# Altium PCB 搅拌机主控.PcbDoc
Units mil, origin at the board's own origin, x right, y up, seen from the top; angles counter-clockwise.
Board outline 3937.01 x 3385.83 mil, 2 copper layers (Top Layer, Bottom Layer); 126 components, 152 nets, 497 pads, 111 vias.
Unrouted connection lines stored in the file: 145.
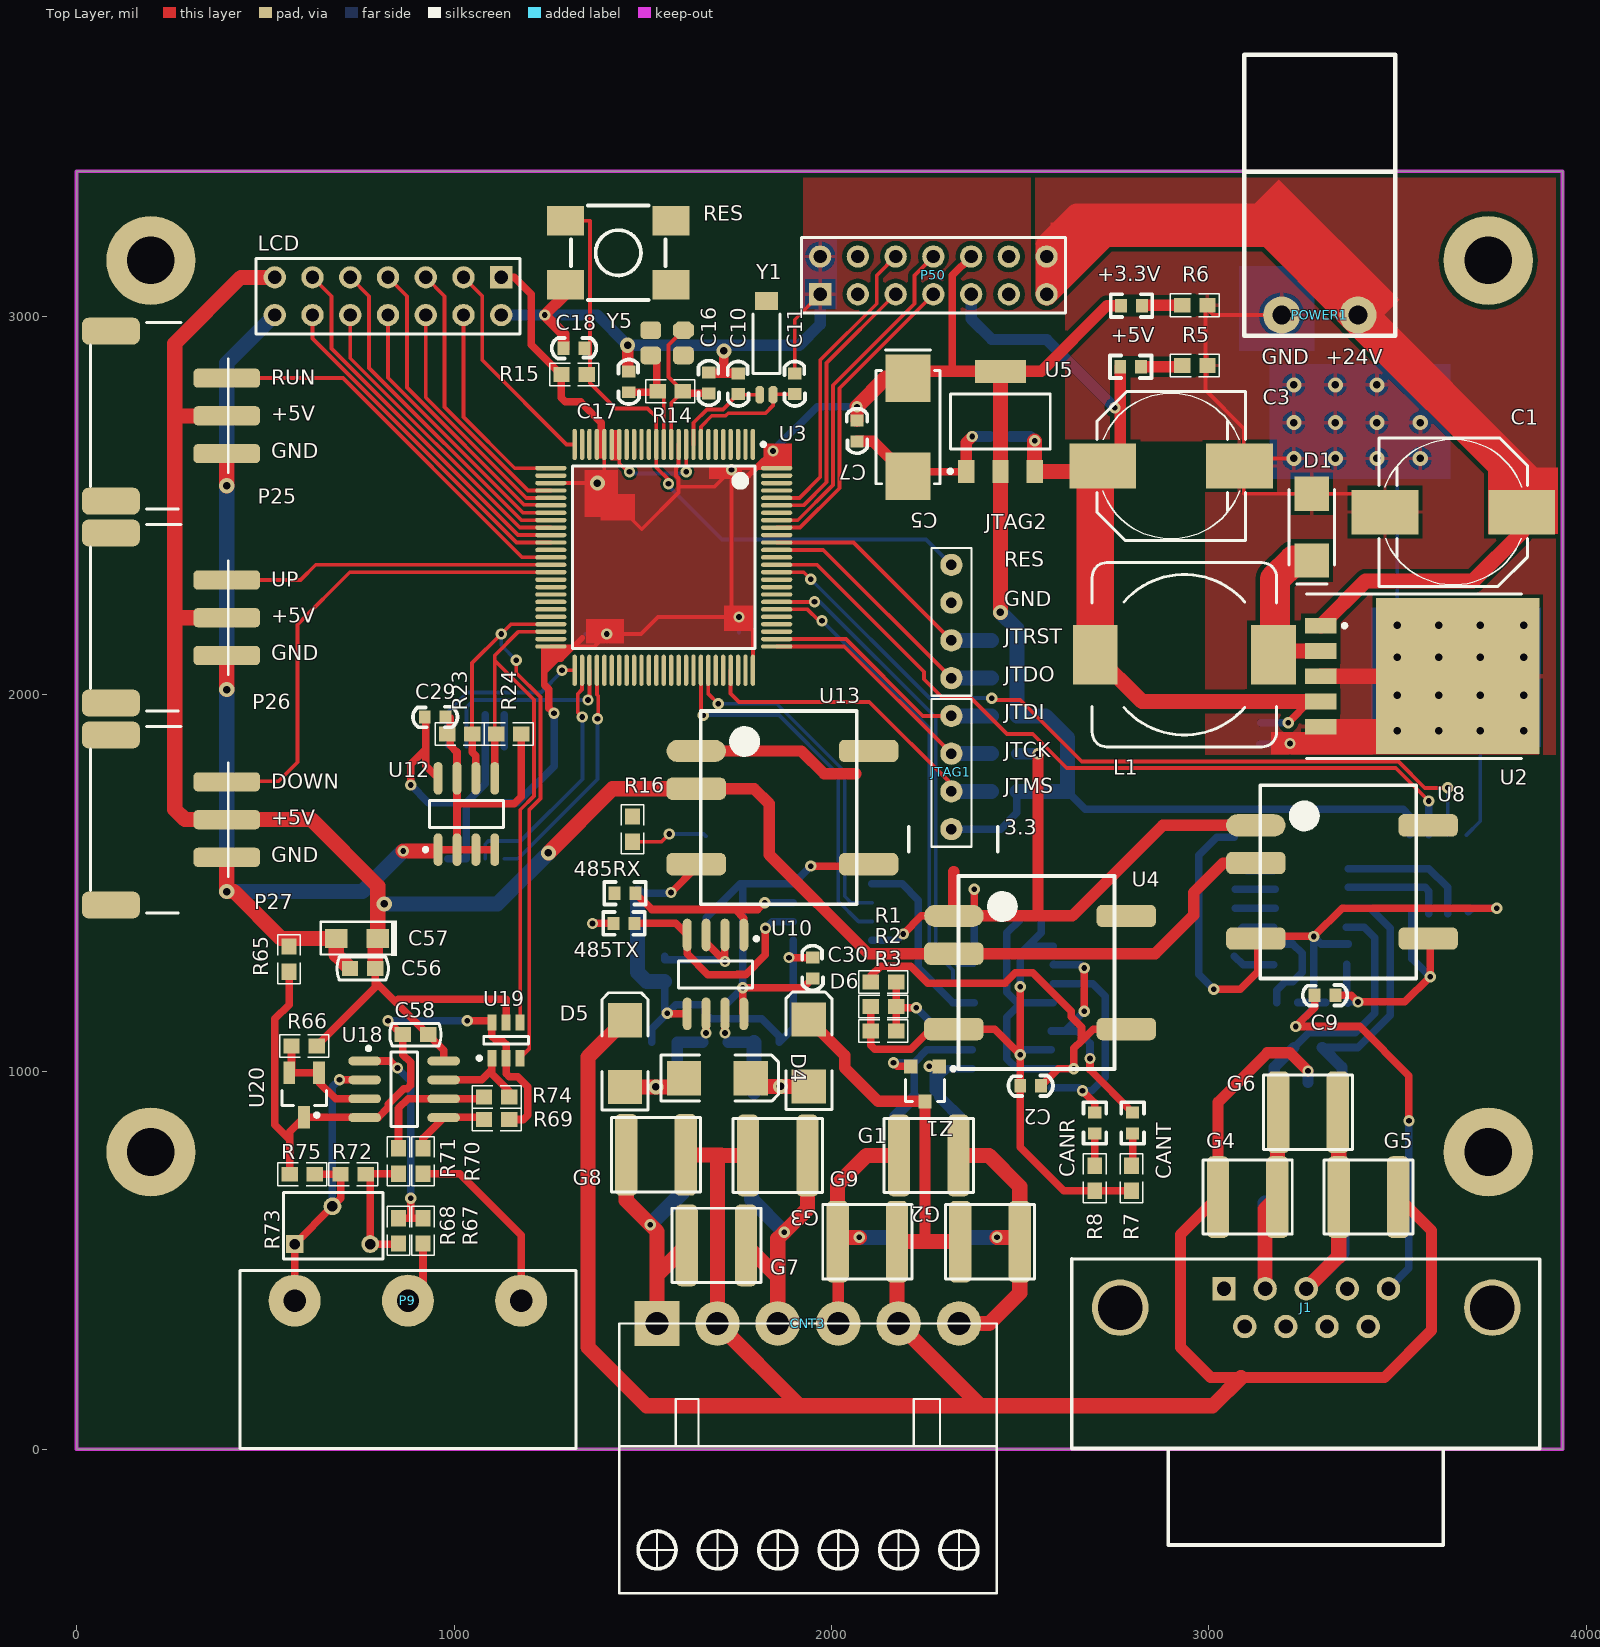
[diagram p0: Top Layer view]
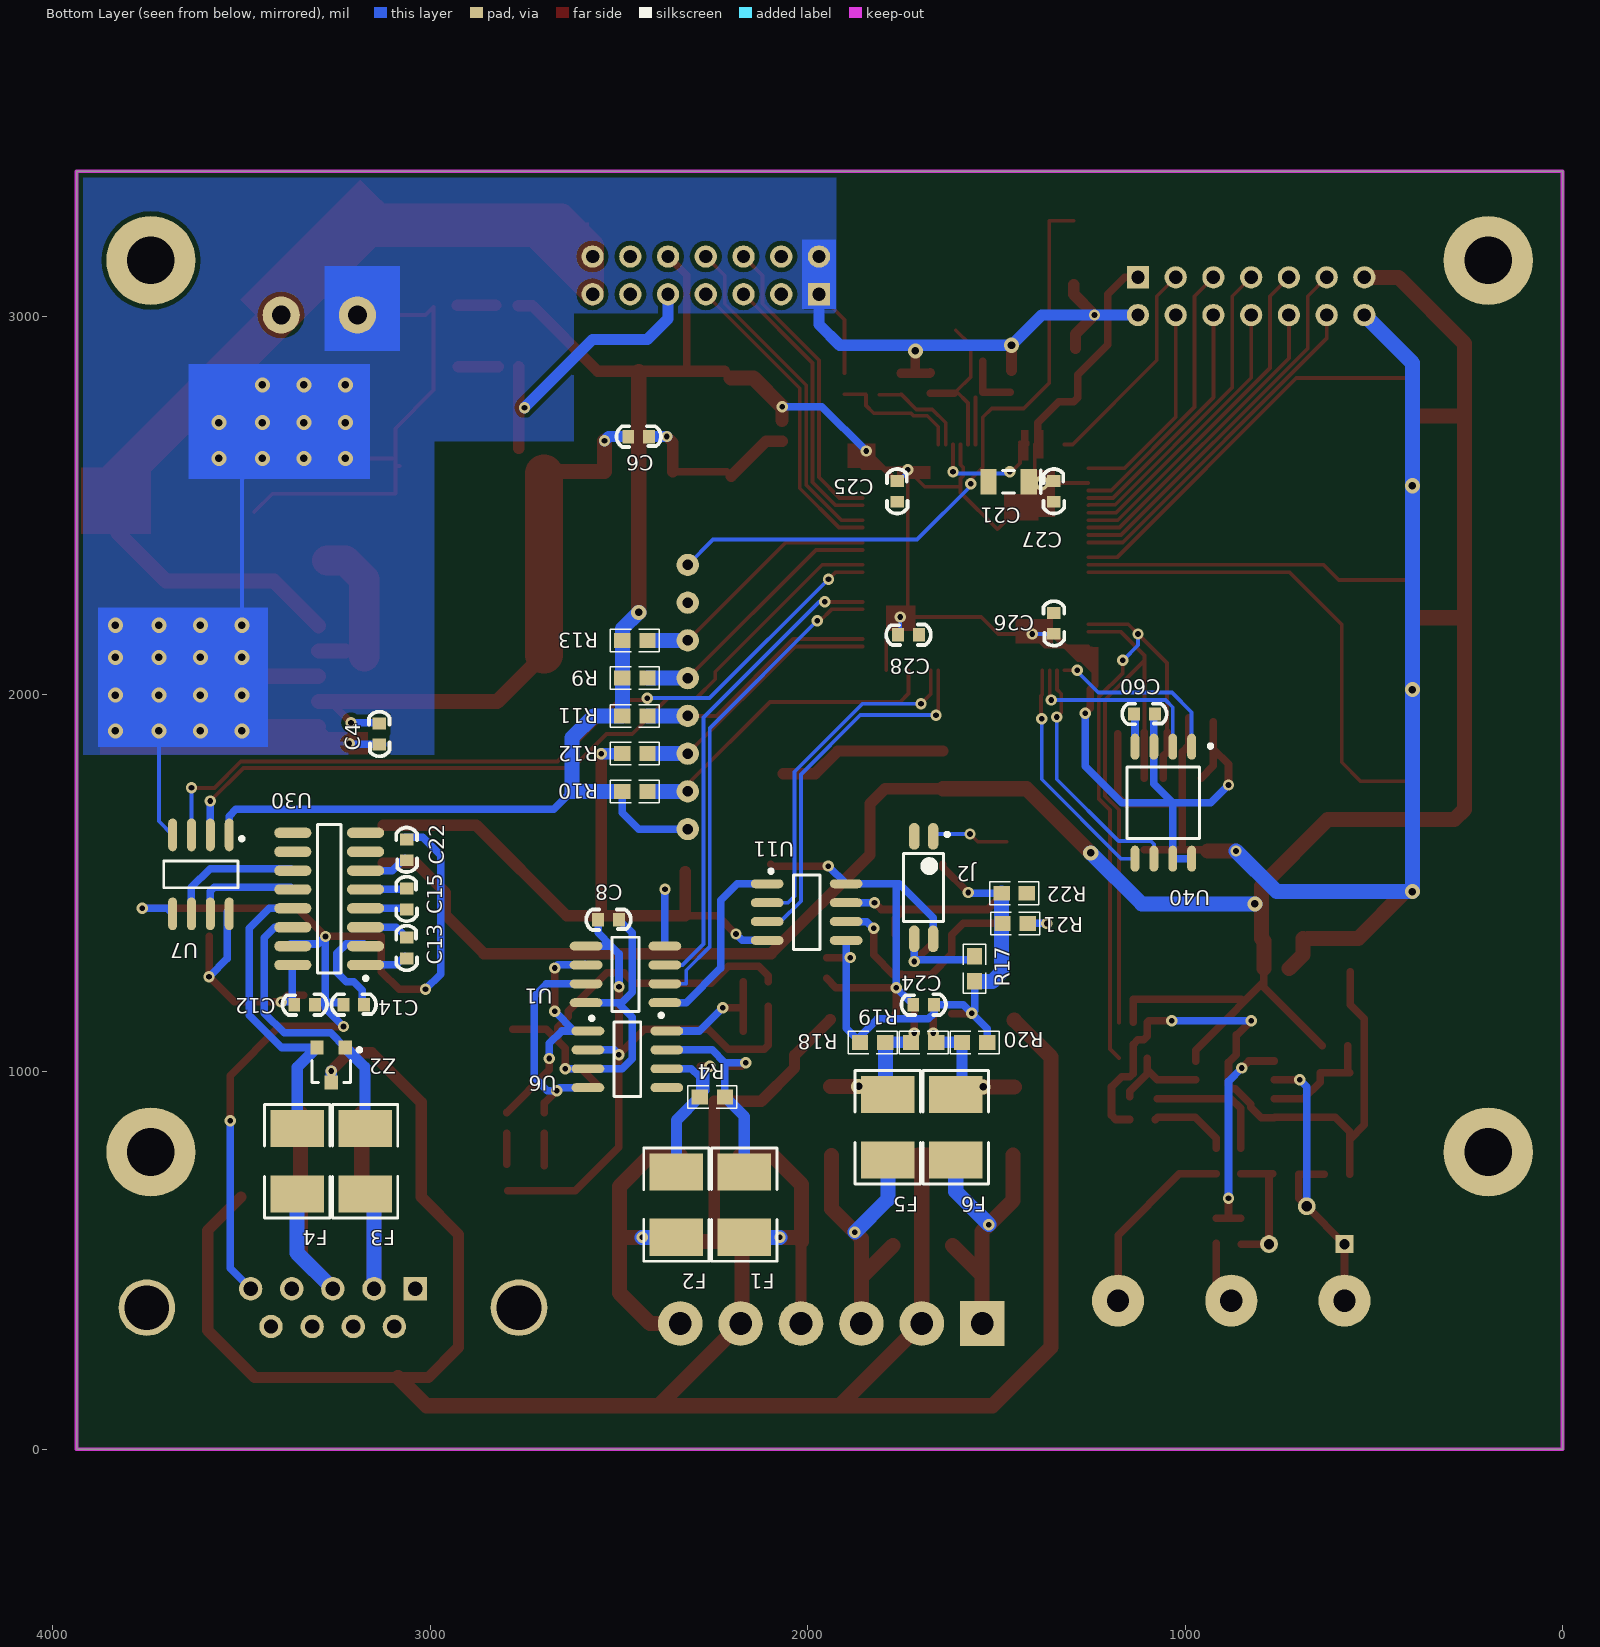
[diagram p1: Bottom Layer view, seen from below]
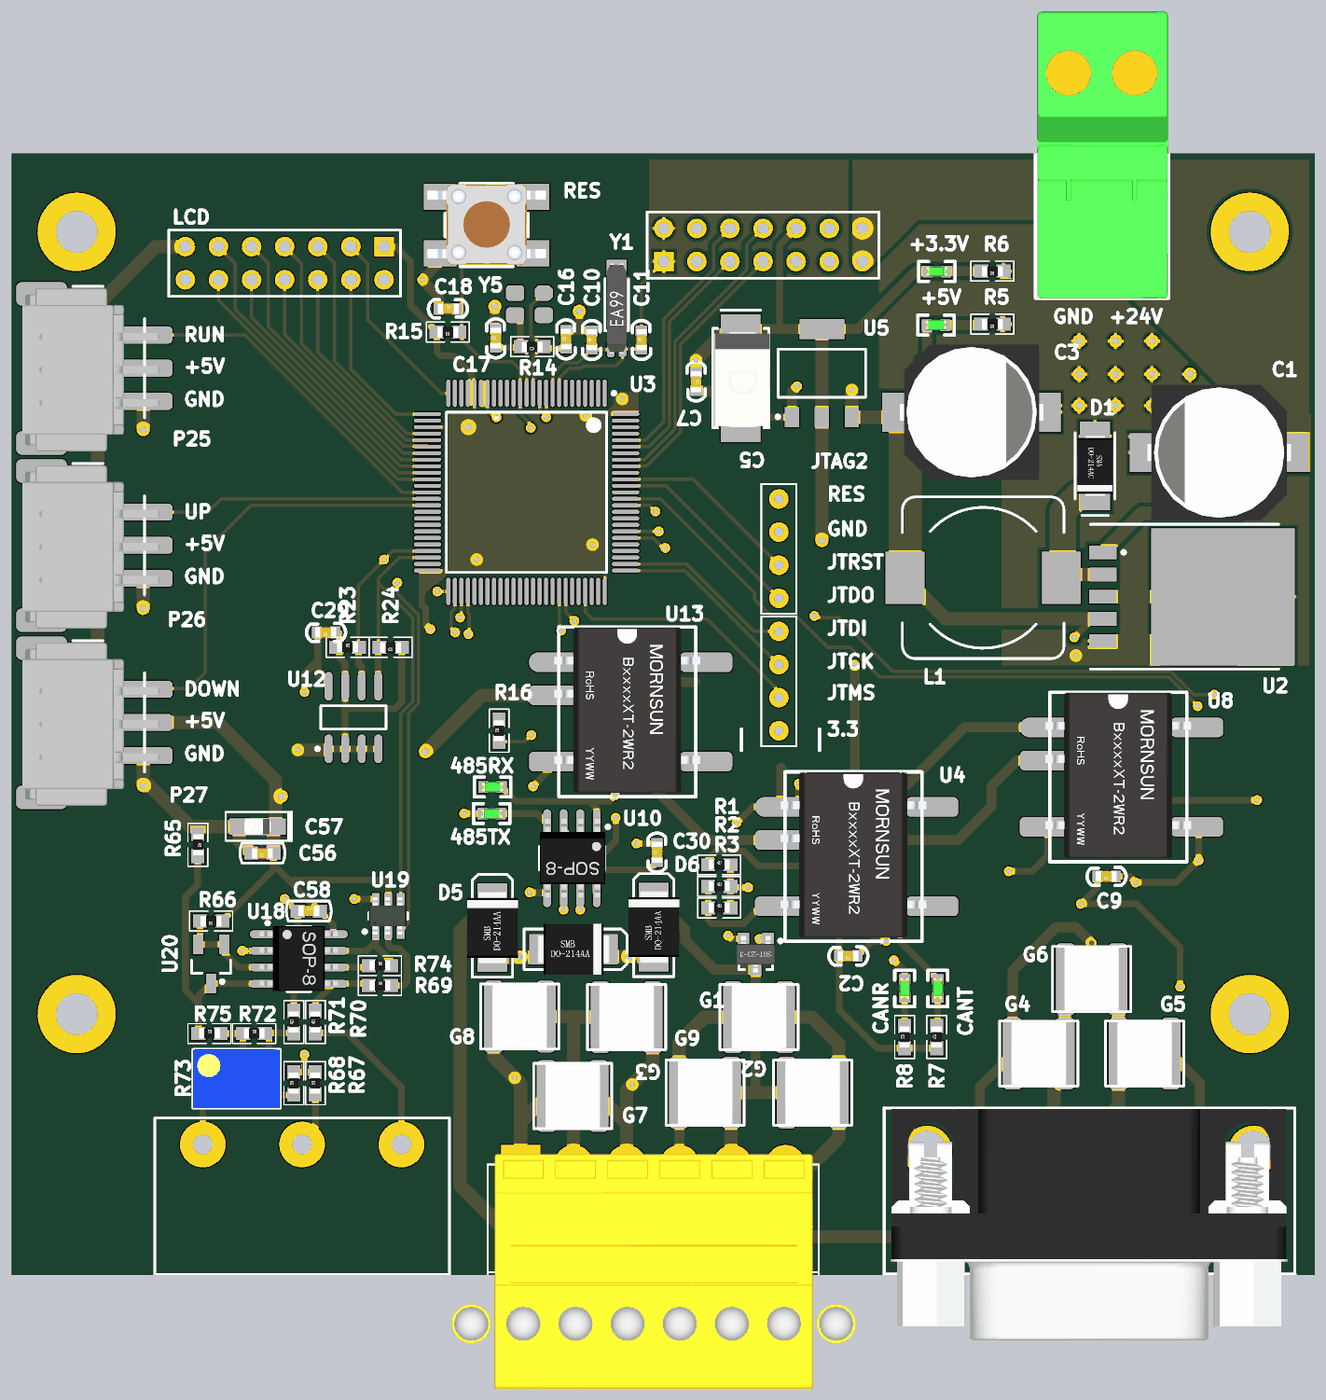
[diagram p2: 3D render of the assembled board from above, using the file's embedded part models]
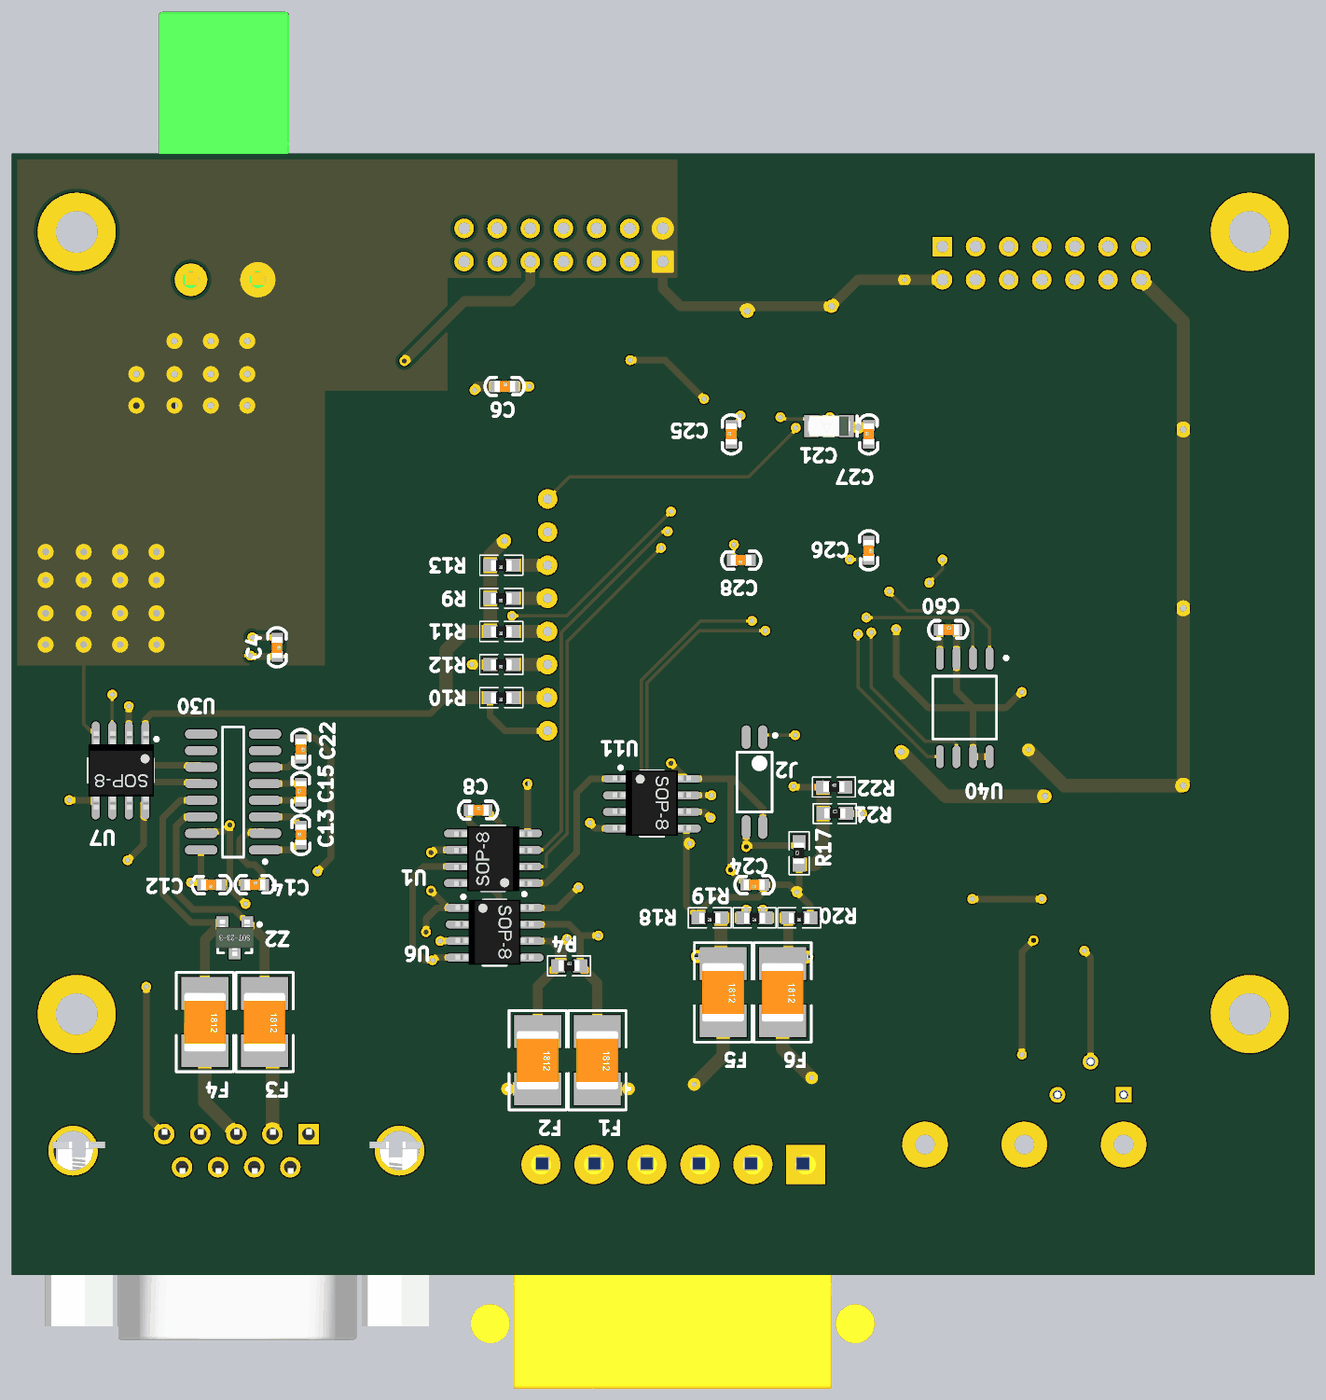
[diagram p3: 3D render of the assembled board from below, using the file's embedded part models]

## Layer stack, top to bottom
Top Solder: solder mask 0.4, Solder Resist, Dk 3.5
Top Layer: signal copper 1.4
Dielectric 1: dielectric 12.6, FR-4, Dk 4.8
Bottom Layer: signal copper 1.4
Bottom Solder: solder mask 0.4, Solder Resist, Dk 3.5

## Board outline
0,0 0,3385.83 3937.01,3385.83 3937.01,0

## Design rules (kind name [scope] priority, off if disabled: settings)
Clearance [All] p1: gap=7
PolygonConnect [All] p1: connectstyle=Relief reliefconductorwidth=10 reliefentries=4 polygonreliefangle="90 Angle" airgapwidth=10
RoutingVias [All] p1: holewidth=20 width=40 viastyle="Through Hole" minholewidth=15 minwidth=20 maxholewidth=40 maxwidth=80
SolderMaskExpansion [All] p1: expansion=4
Width [All] p1: maxlimit=100 minlimit=10 preferedwidth=20
30 further rules are at their usual default settings.

## Classes and differential pairs
component class 步进电机驱动1: P5
component class 步进电机驱动2: P8
component class PT100检测电路: C56 C57 C58 P9 P10 R65 R66 R67 R68 R69 R70 R71 R72 R73 R74 R75 U18 U19 U20
component class MCU: 485RX 485TX +3.3v +5V C3 C4 C5 C6 C7 C8 C9 C10 C11 C12 C13 C14 C15 C16 C17 C18 C21 C22 C24 C25 C26 C27 C28 C29 C30 C60 CANR CANT CNT3 D1 D4 D5 D6 F1 F2 F3 F4 F5 F6 G1 G2 G3 G4 G5 G6 G7 G8 G9 J1 J2 JTAG1 JTAG2 L1 P25 P26 P27 P50 POWER1 R3 R4 R5 R6 R7 R8 R9 R10 R11 R12 R13 R14 R15 R16 R17 R18 R19 R20 R21 R22 R23 R24 RES U4 U5 U6 U7 U8 U10 U11 U12 U13 U30 U40 Y1 Y5 Z1 Z2

## Components (designator, comment, footprint, x,y, rotation, side; value= is the part's Value field where it differs from the comment)
485RX "COLOUR" 0603LED 1452.76,1473.01 r0 top (schematic designator 2)
485TX "COLOUR" 0603LED 1450.31,1393.01 r0 top (schematic designator 1)
+3.3V "COLOUR" 0603LED 2795,3030 r180 top (schematic designator +2)
+5V "COLOUR" 0603LED 2792.76,2868.01 r180 top (schematic designator +1)
C1 "Cap Pol" C-RB-S10 3647.76,2483.01 r180 top
C2 "104" 0603C 2527.76,963.01 r180 top
C3 "Cap Pol" C-RB-S10 2900,2605 r0 top
C4 "104" 0603C 3135,1895 r270 bottom
C5 "Cap Pol" CAP-7343 2202.76,2708.01 r270 top
C6 "104" 0603C 2447.76,2683.01 r180 bottom
C7 "104" 0603C 2067.76,2698.01 r270 top
C8 "104" 0603C 2527.76,1403.01 r180 bottom
C9 "104" 0603C 3307.76,1203.01 r180 top
C10 "10" 0603C 1752.76,2823.01 r90 top
C11 "10" 0603C 1902.76,2823.01 r90 top
C12 "104" 0603C 3332.76,1178.01 r0 bottom
C13 "104" 0603C 3062.76,1328.01 r90 bottom
C14 "104" 0603C 3202.76,1178.01 r180 bottom
C15 "104" 0603C 3062.76,1458.01 r90 bottom
C16 "22" 0603C 1675,2825 r90 top
C17 "22" 0603C 1462.76,2828.01 r90 top
C18 "104" 0603C 1318.01,2917.24 r0 top
C21 "10uf" ct3216-18 1467.76,2563.01 r0 bottom
C22 "104" 0603C 3062.76,1588.01 r270 bottom
C24 "104" 0603C 1692.76,1178.01 r0 bottom
C25 "104" 0603C 1762.76,2538.01 r90 bottom
C26 "104" 0603C 1347.76,2188.01 r270 bottom
C27 "104" 0603C 1347.76,2538.01 r90 bottom
C28 "104" 0603C 1732.76,2158.01 r0 bottom
C29 "104" 0603C 950,1940 r180 top
C30 "104" 0603C 1950,1275 r90 top
C56 "Cap" C-RAD-0603 757.76,1273.5 r180 top
C57 "Cap Pol" CAP-3216 742.76,1353.5 r180 top
C58 "Cap" C-RAD-0603 897.76,1098.5 r0 top
C60 "104" 0603C 1107.76,1948.01 r180 bottom
CANR "COLOUR" 0603LED 2697.76,864.5 r90 top (schematic designator CANR1)
CANT "COLOUR" 0603LED 2797.76,864.5 r90 top (schematic designator CANT1)
CNT3 "CNT3.96" CNT3.96 1537.76,333.01 r0 top
D1 "D-Schottky" DIODE-SMA 3272.76,2443.01 r270 top
D4 "TVS" DIODE-SMB 1697.76,983.01 r0 top
D5 "TVS" DIODE-SMB 1452.76,1048.01 r90 top
D6 "TVS" DIODE-SMB 1940,1050 r90 top
F1 "SMDC014F" 1812 2167.76,648.01 r270 bottom
F2 "Fuse" 1812 2347.76,648.01 r270 bottom
F3 "SMDC014F" 1812 3172.76,763.01 r270 bottom
F4 "Fuse" 1812 3352.76,763.01 r270 bottom
F5 "SMDC014F" 1812 1787.76,853.01 r270 bottom
F6 "Fuse" 1812 1607.76,853.01 r270 bottom
G1 "SMD5050-470NA" SMD5050 2257.76,778.01 r0 top
G2 "SMD5050-470NA" SMD5050 2420,550 r180 top
G3 "SMD5050-470NA" SMD5050 2095,550 r0 top
G4 "SMD5050-470NA" SMD5050 3102.76,668.01 r0 top
G5 "SMD5050-470NA" SMD5050 3422.76,668.01 r180 top
G6 "SMD5050-470NA" SMD5050 3262.76,893.01 r0 top
G7 "SMD5050-230NA" SMD5050 1695,540 r180 top
G8 "SMD5050-230NA" SMD5050 1535,780 r0 top
G9 "SMD5050-230NA" SMD5050 1857.76,778.01 r180 top
J1 "D Connector 9" DB9-M 3040,425 r0 top
J2 "TLP291" SOP127P710X350-4N 1692.76,1488.01 r270 bottom
JTAG1 "单排插针11mm4p" 单排插针2.54 2317.76,1643.01 r90 top
JTAG2 "单排插针11mm4p" 单排插针2.54 2317.76,2043.01 r90 top
L1 "Inductor" L-SMD-12 2935,2105 r180 top
LCD "Header 7X2" HDR7X2_A1 1125,3105 r180 top (schematic designator LCD1)
P9 "cnt3" 7.62mmPCB接线端子3p 877.76,393.5 r0 top
P25 "Header 3" XH2.54*3卧贴 397.76,2638.01 r90 top
P26 "Header 3" XH2.54*3卧贴 397.76,2103.01 r90 top
P27 "Header 3" XH2.54*3卧贴 397.76,1568.01 r90 top
P50 "Header 7X2" HDR7X2_A1 1970,3060 r0 top
POWER1 "CNT5.08MM*2 WAN" CNT5.08*2WAN 3395,3005 r180 top
R1 "Res1" 0603-1 2137.76,1238.01 r0 top
R2 "Res1" 0603-1 2137.76,1173.01 r0 top
R3 "Res1" 0603-1 2137.76,1108.01 r0 top
R4 "Res1" 0603-1 2252.76,933.01 r180 bottom
R5 "Res1" 0603-1 2962.76,2871.04 r180 top
R6 "Res1" 0603-1 2962.76,3031.04 r180 top
R7 "Res1" 0603-1 2794.72,718.01 r90 top
R8 "Res1" 0603-1 2697.76,718.01 r90 top
R9 "Res1" 0603-1 2457.76,2043.01 r0 bottom
R10 "Res1" 0603-1 2457.76,1743.01 r0 bottom
R11 "Res1" 0603-1 2457.76,1943.01 r0 bottom
R12 "Res1" 0603-1 2457.76,1843.01 r0 bottom
R13 "Res1" 0603-1 2457.76,2143.01 r0 bottom
R14 "Res1" 0603-1 1572.76,2803.01 r180 top
R15 "Res1" 0603-1 1318.01,2847.24 r180 top
R16 "Res1" 0603-1 1472.76,1643.01 r90 top
R17 "Res1" 0603-1 1557.76,1273.01 r90 bottom
R18 "Res1" 0603-1 1827.76,1078.01 r0 bottom
R19 "Res1" 0603-1 1692.76,1078.01 r0 bottom
R20 "Res1" 0603-1 1557.76,1078.01 r0 bottom
R21 "Res1" 0603-1 1450.31,1393.01 r180 bottom
R22 "Res1" 0603-1 1452.76,1473.01 r180 bottom
R23 "Res1" 0603-1 1015,1895 r0 top
R24 "Res1" 0603-1 1145,1895 r180 top
R65 "Res1" 0603-1 562.76,1298.5 r270 top
R66 "Res1" 0603-1 602.76,1068.5 r180 top
R67 "Res1" 0603-1 917.76,578.5 r90 top
R68 "Res1" 0603-1 852.76,578.5 r90 top
R69 "Res1" 0603-1 1112.76,873.5 r0 top
R70 "Res1" 0603-1 917.76,763.5 r90 top
R71 "Res1" 0603-1 852.76,763.5 r90 top
R72 "Res1" 0603-1 732.76,728.5 r0 top
R73 "RPot" VR-3266W 677.76,593.5 r0 top
R74 "Res1" 0603-1 1112.76,933.5 r0 top
R75 "Res1" 0603-1 597.76,728.5 r0 top
RES "SW-PB" SW_PB4_A1 1435,3170 r0 top (schematic designator S1)
U1 "ADUM1201" NSO8_N 2482.76,1258.01 r0 bottom
U2 "LM2596S-5.0" TO-263-5 3462.76,2048.01 r270 top
U3 "STM32F103VET6-LQFP" LQFP-100_M 1555.67,2363.01 r270 top
U4 "B0503XT-2WR2" B_XT-2WR2 2552.76,1263.01 r270 top
U5 "ASM1117" SOT-223 2447.76,2723.01 r0 top
U6 "SN65HVD230" NSO8_N 2477.76,1033.01 r180 bottom
U7 "ADUM1201" NSO8_N 3607.76,1523.01 r270 bottom
U8 "B0503XT-2WR2" B_XT-2WR2 3352.76,1503.01 r270 top
U10 "SP3485" NSO8_N 1692.76,1258.01 r270 top
U11 "ADUM1201ARZ" NSO8_N 2002.76,1423.01 r180 bottom
U12 "AT24C08" SOIC8_N 1032.76,1683.01 r90 top
U13 "B0503XT-2WR2" B_XT-2WR2 1870,1700 r270 top
U18 "OPA2335AIDR" NSO8_N 867.76,953.5 r0 top
U19 "ADS1110IDBVR" SOT23-6 1137.76,1083.5 r90 top
U20 "TL431" SOT23 602.76,938.5 r270 top
U30 "MAX232ese" NSO16_M 3267.76,1458.01 r0 bottom
U40 "W25Q128" SOIC8_W 1057.76,1713.01 r270 bottom (schematic designator U?)
Y1 "XTAL_SM" MC-146 1827.76,2918.01 r90 top
Y5 "XTAL_SM" xtal3225 1607.76,2898.01 r180 top
Z1 "PESD1CAN" SOT-23 2247.76,968.01 r180 top
Z2 "PESD15VL2BT" SOT-23 3262.76,1018.01 r0 bottom

## Footprints (in the part's own frame and the unit in brackets; to place one, negate y for a bottom-side part, rotate by r counter-clockwise, add the part's x,y. Pads: shape width x height; smd on the part's side, far side on the other; paste and mask are expansions set on the pad)
7.62mmPCB接线端子3p [mm]
  round 3.5 hole 1.5: 1(-7.62,0) 2(0,0) 3(7.62,0)
  silkscreen extent -11.3,-9.96 11.3,2.03, body extent -11.43,-10.01 11.43,1.99, height 12.5
0603-1 [mm] "贴片带丝印"
  rect 1.1x1 smd: 1(-0.85,0) 2(0.85,0)
  silkscreen extent -1.65,-0.76 1.65,0.76, body extent -0.8,-0.38 0.8,0.42, height 0.3
0603C [mm]
  rect 0.8x0.9 smd: 1(-0.7,0) 2(0.7,0)
  silkscreen extent -1.5,-0.69 1.5,0.69, body extent -0.77,-0.4 0.83,0.4, height 0.3
0603LED [mm]
  rect 0.8x0.9 smd: 1(-0.7,0) 2(0.7,0)
  silkscreen extent -1.4,-0.76 1.4,0.76, body extent -0.81,-0.41 0.81,0.39, height 0.6
1812 [mm] "保险丝"
  rect 2.5x3.6 smd: 1(-2.2,0) 2(2.2,0)
  silkscreen extent -3.81,-2.2 3.81,2.2, body extent -2.25,-1.6 2.25,1.6, height 1.6
B_XT-2WR2 [mm] "金升阳2w隔离模块（表贴）"
  rrect50% 1.5x4 smd: 0(-3.81,5.8) 8(3.81,-5.8) 9(3.81,5.8) 14(-1.27,-5.8)
  oval 1.5x4 smd: 1(-3.81,-5.8)
  silkscreen extent -6.5,-5.5 6.5,5, body extent -6.48,-5.86 6.22,5.35, height 7.25
C-RAD-0603 [mm] "贴片电容"
  rect 1.1x1 smd: 1(-0.85,0) 2(0.85,0)
  silkscreen extent -1.73,-0.76 1.73,0.76, body extent -0.8,-0.38 0.8,0.42, height 0.3
C-RB-S10 [mm] "贴片电解"
  rect 4.5x3 smd: 1(-4.6,0) 2(4.6,0)
  silkscreen extent -5,-5 5,5, body extent -5.5,-5.2 5.5,5.2, height 10.41
CAP-3216 [mil] "钽电容"
  rect 60x50 smd: 1(-55,0) 2(55,0)
  silkscreen extent -106,-48 96,46, body extent -40,-26 40,26, height 47
CAP-7343 [mm] "钽电容"
  rect 3.2x3.05 smd: 1(-3.302,0) 2(3.302,0)
  silkscreen extent -5.21,-2.16 3.81,2.16, body extent -3.52,-2.02 3.78,2.28, height 2.9
CNT3.96 [mm]
  rect 3x3 hole 1.524: 1(0,0)
  round 3 hole 1.524: 2(4.064,0) 3(8.128,0) 4(12.192,0) 5(16.256,0) 6(20.32,0)
  silkscreen extent -2.54,-18.16 22.86,0, body extent -5.28,-17.21 25.71,0.79, height 10
CNT5.08*2WAN [mm]
  round 2.5 hole 1.27: 1(0,0) 2(5.13,0)
  silkscreen extent -2.51,-17.53 7.65,1.4, body extent -2.48,-20.55 7.52,1.45, height 15
ct3216-18 [mm]
  rect 1.1x1.7 smd: 1(-1.35,0) 2(1.35,0)
  silkscreen extent -2.16,-0.76 0.4,0.76, body extent -1.6,-0.8 1.6,0.8, height 1.6
DB9-M [mil] "DB9公座"
  rect 62x62 hole 38: 1(0,0)
  round 62 hole 38: 2(109,0) 3(218,0) 4(327,0) 5(436,0) 6(55,-100) 7(164,-100) 8(273,-100) 9(382,-100)
  round 150 hole 118.11: 10(711,-50) 11(-275,-50)
  silkscreen extent -404,-679 837,79, body extent -385,-621 815,76, height 490
DIODE-SMA [mm] "贴片二极管"
  rect 2.3x2.3 smd: 1(-2.25,0) 2(2.25,0)
  silkscreen extent -2.54,-1.52 3.81,1.52, body extent -2.3,-1.35 2.3,1.35, height 2.4
DIODE-SMB [mm] "DO-214-AA/SMB; 2 C-Bend Leads; Body 5.3 x 3.6 mm, inc. leads (LxW)"
  rect 2.3x2.3 smd: 1(-2.25,0) 2(2.25,0)
  silkscreen extent -3.8,-1.55 4.1,1.55, body extent -2.8,-1.95 2.8,1.95, height 2.5
HDR7X2_A1 [mm] "Connector; Header; 7x2 Position"
  rect 1.5x1.5 hole 0.9: 1(0,0)
  round 1.5 hole 0.9: 2(0,2.54) 3(2.54,0) 4(2.54,2.54) 5(5.08,0) 6(5.08,2.54) 7(7.62,0) 8(7.62,2.54) 9(10.16,0) 10(10.16,2.54) 11(12.7,0) 12(12.7,2.54) 13(15.24,0) 14(15.24,2.54)
  silkscreen extent -1.27,-1.27 16.51,3.81
L-SMD-12 [mm] "贴片电感12*12"
  rect 3x4 smd: 1(-6,0) 2(6,0)
  silkscreen extent -6.2,-6.2 6.2,6.2, body extent -6.2,-6.22 6.2,6.17, height 2.5
LQFP-100_M [mm] "Thin QFP, 100"
  oval 2.1x0.3 smd: 1(-7.6,6) 2(-7.6,5.5) 3(-7.6,5) 4(-7.6,4.5) 5(-7.6,4) 6(-7.6,3.5) 7(-7.6,3) 8(-7.6,2.5) 9(-7.6,2) 10(-7.6,1.5) 11(-7.6,1) 12(-7.6,0.5) 13(-7.6,0) 14(-7.6,-0.5) 15(-7.6,-1) 16(-7.6,-1.5) 17(-7.6,-2) 18(-7.6,-2.5) 19(-7.6,-3) 20(-7.6,-3.5) 21(-7.6,-4) 22(-7.6,-4.5) 23(-7.6,-5) 24(-7.6,-5.5) 25(-7.6,-6) 51(7.6,-6) 52(7.6,-5.5) 53(7.6,-5) 54(7.6,-4.5) 55(7.6,-4) 56(7.6,-3.5) 57(7.6,-3) 58(7.6,-2.5) 59(7.6,-2) 60(7.6,-1.5) 61(7.6,-1) 62(7.6,-0.5) 63(7.6,0) 64(7.6,0.5) 65(7.6,1) 66(7.6,1.5) 67(7.6,2) 68(7.6,2.5) 69(7.6,3) 70(7.6,3.5) 71(7.6,4) 72(7.6,4.5) 73(7.6,5) 74(7.6,5.5) 75(7.6,6)
  oval 0.3x2.1 smd: 26(-6,-7.6) 27(-5.5,-7.6) 28(-5,-7.6) 29(-4.5,-7.6) 30(-4,-7.6) 31(-3.5,-7.6) 32(-3,-7.6) 33(-2.5,-7.6) 34(-2,-7.6) 35(-1.5,-7.6) 36(-1,-7.6) 37(-0.5,-7.6) 38(0,-7.6) 39(0.5,-7.6) 40(1,-7.6) 41(1.5,-7.6) 42(2,-7.6) 43(2.5,-7.6) 44(3,-7.6) 45(3.5,-7.6) 46(4,-7.6) 47(4.5,-7.6) 48(5,-7.6) 49(5.5,-7.6) 50(6,-7.6) 76(6,7.6) 77(5.5,7.6) 78(5,7.6) 79(4.5,7.6) 80(4,7.6) 81(3.5,7.6) 82(3,7.6) 83(2.5,7.6) 84(2,7.6) 85(1.5,7.6) 86(1,7.6) 87(0.5,7.6) 88(0,7.6) 89(-0.5,7.6) 90(-1,7.6) 91(-1.5,7.6) 92(-2,7.6) 93(-2.5,7.6) 94(-3,7.6) 95(-3.5,7.6) 96(-4,7.6) 97(-4.5,7.6) 98(-5,7.6) 99(-5.5,7.6) 100(-6,7.6)
  silkscreen extent -7.72,-6.15 6.15,6.83, body extent -7,-7 7,7, height 0.8
MC-146 [mm] "塑封棒状晶振"
  oct 1.2x0.6 smd: 1(-3.15,0.45) 2(-3.15,-0.45)
  rect 1.2x1.524 smd: 3(3.15,0)
  silkscreen extent -1.72,-0.9 2.29,0.9, body extent -3.45,-0.75 3.45,0.75, height 1.4
NSO8_N [mm] "SOIC-max660"
  oval 2.2x0.6 smd: 1(-2.654,1.905) 2(-2.654,0.635) 3(-2.654,-0.635) 4(-2.654,-1.905) 5(2.654,-1.905) 6(2.654,-0.635) 7(2.654,0.635) 8(2.654,1.905)
  silkscreen extent -2.52,-2.5 0.9,2.88, body extent -3.01,-2.46 2.99,2.54, height 1.5
NSO16_M [mm] "SOIC, 16-Leads, Body 9.9x3.9mm, Pitch 1.27mm, IPC Low Density"
  oval 2.5x0.7 smd: 1(-2.45,4.445) 2(-2.45,3.175) 3(-2.45,1.905) 4(-2.45,0.635) 5(-2.45,-0.635) 6(-2.45,-1.905) 7(-2.45,-3.175) 8(-2.45,-4.445) 9(2.45,-4.445) 10(2.45,-3.175) 11(2.45,-1.905) 12(2.45,-0.635) 13(2.45,0.635) 14(2.45,1.905) 15(2.45,3.175) 16(2.45,4.445)
  silkscreen extent -2.57,-5 0.8,5.47, body extent -2,-5 2,5, height 1.75
SMD5050 [mm] "陶瓷气体放电管50X50"
  rrect50% 1.5x5.5 smd: 1(-2,0) 2(2,0)
  silkscreen extent -3,-2.5 3,2.5, body extent -2.1,-2.41 2.1,2.59, height 5
SOIC8_N [mm] "8-Pin Small Outline Integrated Circuit Package (SOIC8), IPC Medium Density"
  oval 2.2x0.6 smd: 1(-2.4,1.905) 2(-2.4,0.635) 3(-2.4,-0.635) 4(-2.4,-1.905) 5(2.4,-1.905) 6(2.4,-0.635) 7(2.4,0.635) 8(2.4,1.905)